# Altium PCB TD4_CPU.PcbDoc (part 1 of 3)
Units mil, origin at the board's own origin, x right, y up, seen from the top; angles counter-clockwise.
Board outline 4020 x 7560 mil, 2 copper layers (Top Layer, Bottom Layer); 361 components, 295 nets, 1160 pads, 333 vias.
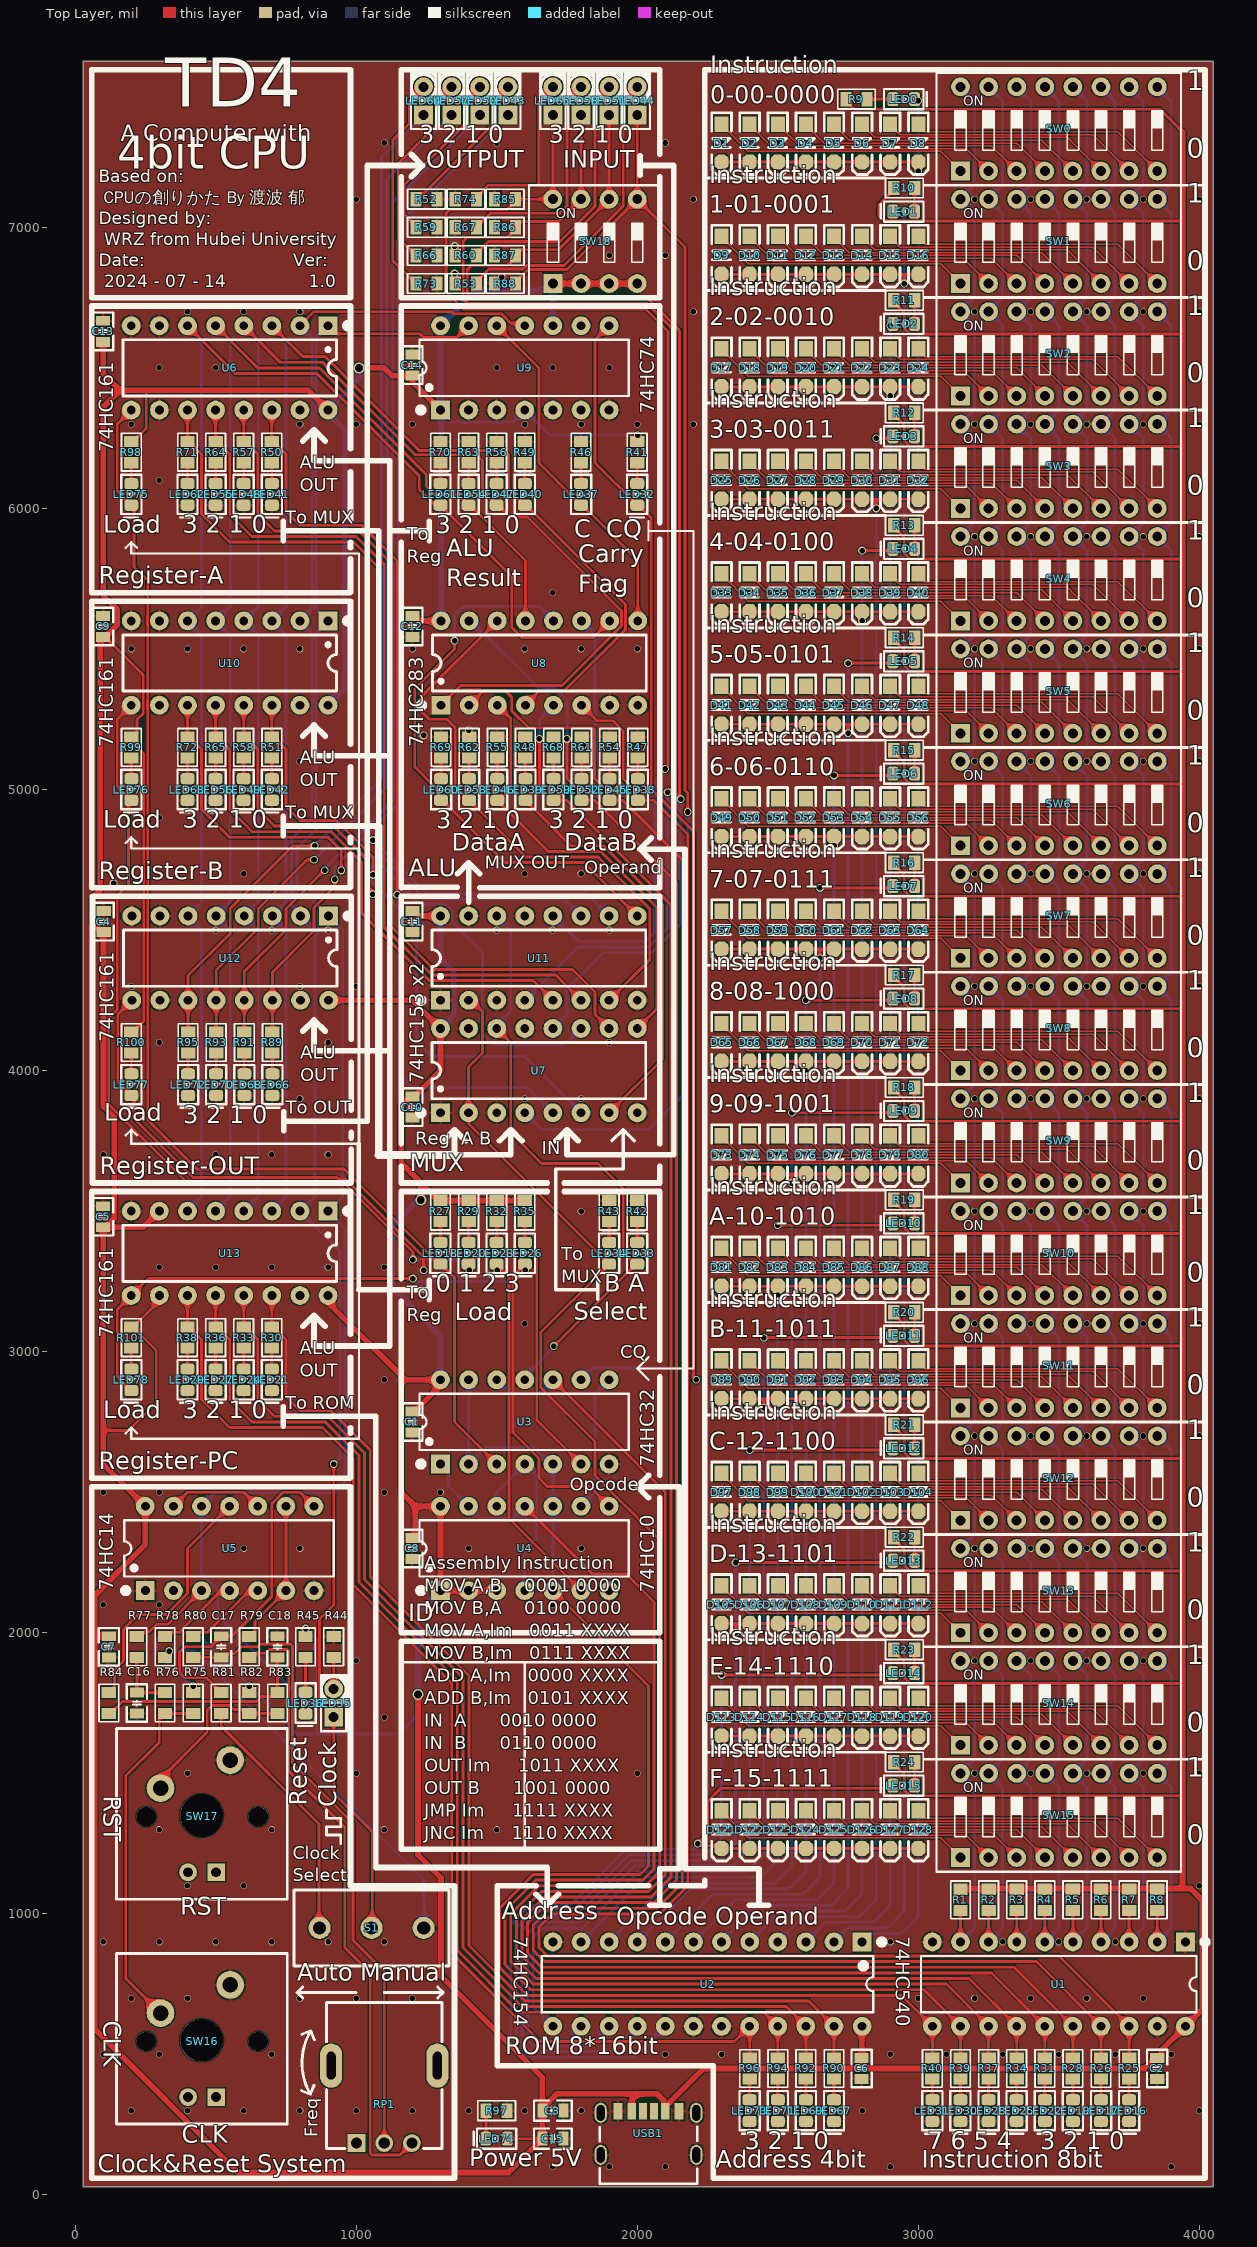
[diagram p0: Top Layer view]
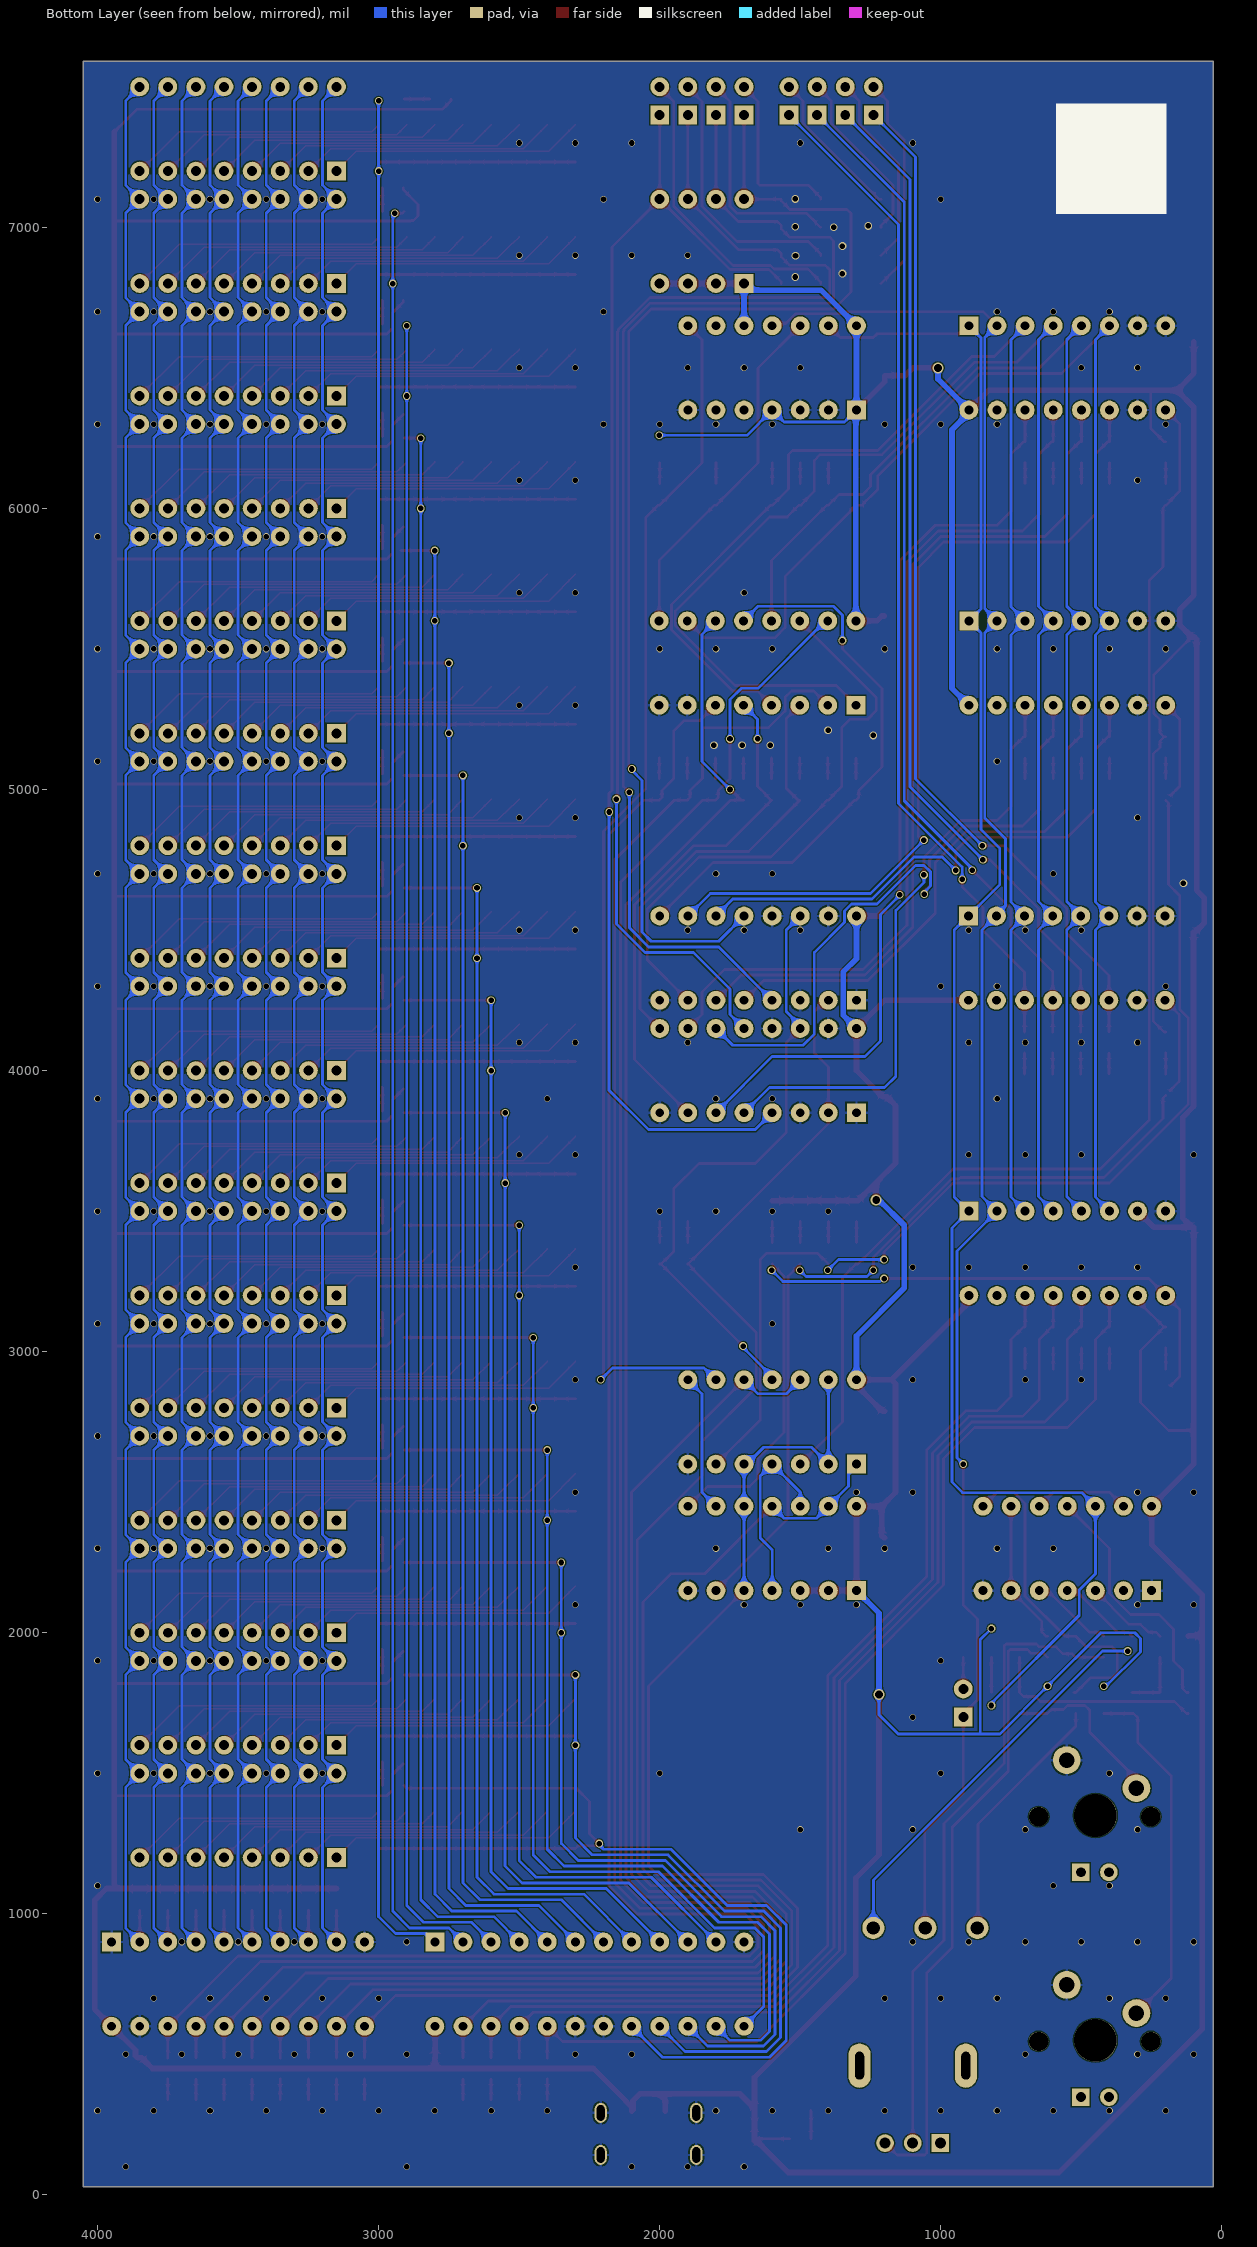
[diagram p1: Bottom Layer view, seen from below]
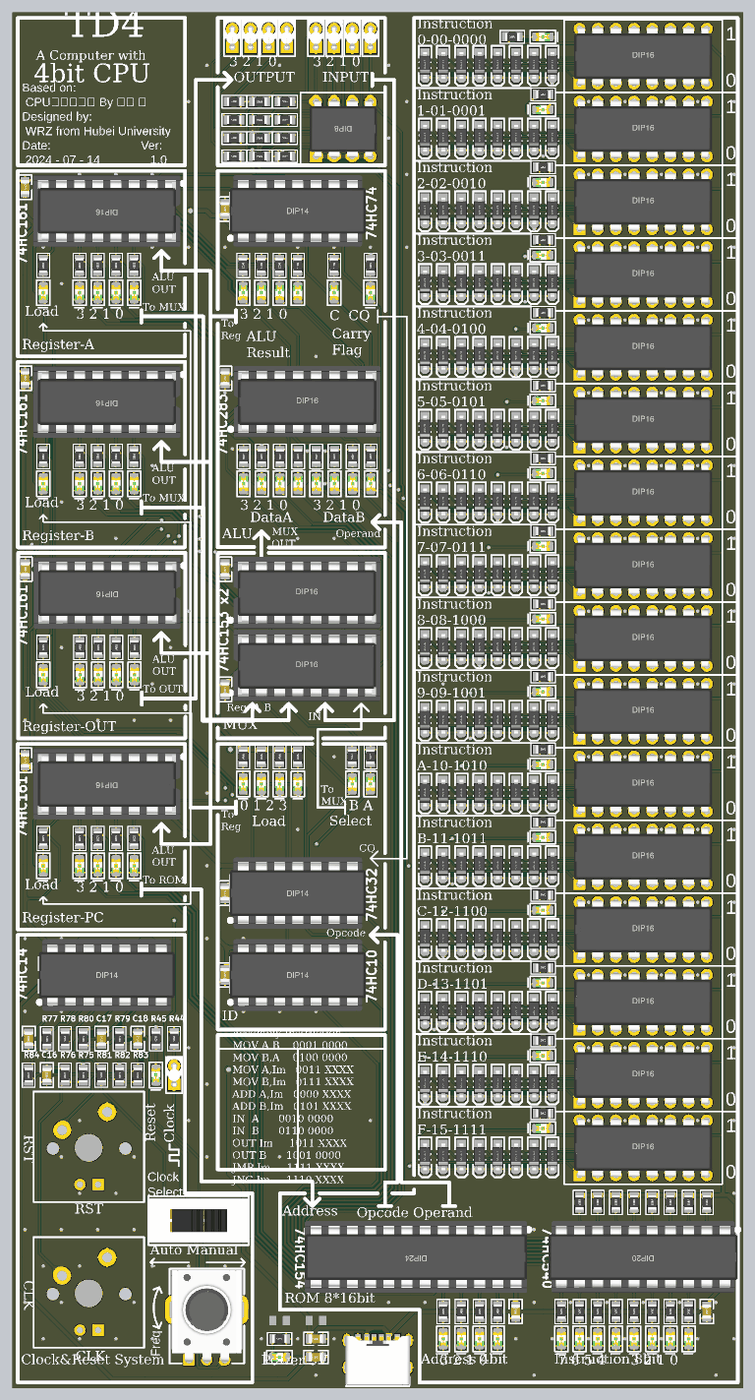
[diagram p4: 3D render of the assembled board from above, using the file's embedded part models]

## Layer stack, top to bottom
Top Solder: solder mask 0.4, Solder Resist, Dk 3.5
Top Layer: signal copper 1.4
Dielectric 1: dielectric 12.6, FR-4, Dk 4.8
Bottom Layer: signal copper 1.4
Bottom Solder: solder mask 0.4, Solder Resist, Dk 3.5

## Board outline
30,30 30,7590 4050,7590 4050,30

## Design rules (kind name [scope] priority, off if disabled: settings)
Clearance [All] p1: gap=4 ignorepadtopadclearanceinfootprint=FALSE
HoleSize [All] p1: absolutevalues=TRUE maxlimit=500 minlimit=1 maxpercent=80.000 minpercent=20.000
MinimumSolderMaskSliver [All] p1: minsoldermaskwidth=0
PolygonConnect PolygonConnect_VIA [ISVIA] p1: connectstyle=Direct reliefconductorwidth=10 reliefentries=4 polygonreliefangle="90 Angle" airgapwidth=10
PolygonConnect [All] p2: connectstyle=Relief reliefconductorwidth=10 reliefentries=4 polygonreliefangle="90 Angle" airgapwidth=6
RoutingVias [All] p1: holewidth=28 width=50 viastyle="Through Hole" minholewidth=28 minwidth=50 maxholewidth=28 maxwidth=50
SilkToSilkClearance [All] p1: silktosilkclearance=0
SilkToSolderMaskClearance [IsPad] p1: minsilkscreentomaskgap=0 clearancetoexposedcopper=TRUE
SolderMaskExpansion [All] p1: expansion=4
Width [All] p1: maxlimit=20 minlimit=5 preferedwidth=10
26 further rules are at their usual default settings.

## Components (designator, comment, footprint, x,y, rotation, side; value= is the part's Value field where it differs from the comment)
C1 "104" C0805_L 1200,2750 r90 top
C2 "104" C0805_L 3850,450 r90 top
C3 "104" C0805_L 1700,300 r180 top
C4 "104" C0805_L 102,4530 r270 top
C5 "104" C0805_L 100,3480 r270 top
C6 "104" C0805_L 2798.5,450 r90 top
C7 "104" C0805_L 120,1950 r90 top
C8 "104" C0805_L 1200,2300 r90 top
C9 "104" C0805_L 100,5580 r270 top
C10 "104" C0805_L 1200,3870 r90 top
C11 "104" C0805_L 1200,4530 r90 top
C12 "104" C0805_L 1200,5580 r90 top
C13 "104" C0805_L 100,6630 r270 top
C14 "104" C0805_L 1200,6510 r270 top
C15 "10uF" C0805_L 1700,200 r180 top
C16 "10uF" C0805_L 220,1750 r90 top
C17 "10uF" C0805_L 520,1950 r270 top
C18 "10uF" C0805_L 720,1950 r270 top
D1 "SS14" SOD-123 2300,7300 r270 top
D2 "SS14" SOD-123 2400,7300 r270 top
D3 "SS14" SOD-123 2500,7300 r270 top
D4 "SS14" SOD-123 2600,7300 r270 top
D5 "SS14" SOD-123 2700,7300 r270 top
D6 "SS14" SOD-123 2800,7300 r270 top
D7 "SS14" SOD-123 2900,7300 r270 top
D8 "SS14" SOD-123 3000,7300 r270 top
D9 "SS14" SOD-123 2300,6900 r270 top
D10 "SS14" SOD-123 2400,6900 r270 top
D11 "SS14" SOD-123 2500,6900 r270 top
D12 "SS14" SOD-123 2600,6900 r270 top
D13 "SS14" SOD-123 2700,6900 r270 top
D14 "SS14" SOD-123 2800,6900 r270 top
D15 "SS14" SOD-123 2900,6900 r270 top
D16 "SS14" SOD-123 3000,6900 r270 top
D17 "SS14" SOD-123 2300,6500 r270 top
D18 "SS14" SOD-123 2400,6500 r270 top
D19 "SS14" SOD-123 2500,6500 r270 top
D20 "SS14" SOD-123 2600,6500 r270 top
D21 "SS14" SOD-123 2700,6500 r270 top
D22 "SS14" SOD-123 2800,6500 r270 top
D23 "SS14" SOD-123 2900,6500 r270 top
D24 "SS14" SOD-123 3000,6500 r270 top
D25 "SS14" SOD-123 2300,6100 r270 top
D26 "SS14" SOD-123 2400,6100 r270 top
D27 "SS14" SOD-123 2500,6100 r270 top
D28 "SS14" SOD-123 2600,6100 r270 top
D29 "SS14" SOD-123 2700,6100 r270 top
D30 "SS14" SOD-123 2800,6100 r270 top
D31 "SS14" SOD-123 2900,6100 r270 top
D32 "SS14" SOD-123 3000,6100 r270 top
D33 "SS14" SOD-123 2300,5700 r270 top
D34 "SS14" SOD-123 2400,5700 r270 top
D35 "SS14" SOD-123 2500,5700 r270 top
D36 "SS14" SOD-123 2600,5700 r270 top
D37 "SS14" SOD-123 2700,5700 r270 top
D38 "SS14" SOD-123 2800,5700 r270 top
D39 "SS14" SOD-123 2900,5700 r270 top
D40 "SS14" SOD-123 3000,5700 r270 top
D41 "SS14" SOD-123 2300,5300 r270 top
D42 "SS14" SOD-123 2400,5300 r270 top
D43 "SS14" SOD-123 2500,5300 r270 top
D44 "SS14" SOD-123 2600,5300 r270 top
D45 "SS14" SOD-123 2700,5300 r270 top
D46 "SS14" SOD-123 2800,5300 r270 top
D47 "SS14" SOD-123 2900,5300 r270 top
D48 "SS14" SOD-123 3000,5300 r270 top
D49 "SS14" SOD-123 2300,4900 r270 top
D50 "SS14" SOD-123 2400,4900 r270 top
D51 "SS14" SOD-123 2500,4900 r270 top
D52 "SS14" SOD-123 2600,4900 r270 top
D53 "SS14" SOD-123 2700,4900 r270 top
D54 "SS14" SOD-123 2800,4900 r270 top
D55 "SS14" SOD-123 2900,4900 r270 top
D56 "SS14" SOD-123 3000,4900 r270 top
D57 "SS14" SOD-123 2300,4500 r270 top
D58 "SS14" SOD-123 2400,4500 r270 top
D59 "SS14" SOD-123 2500,4500 r270 top
D60 "SS14" SOD-123 2600,4500 r270 top
D61 "SS14" SOD-123 2700,4500 r270 top
D62 "SS14" SOD-123 2800,4500 r270 top
D63 "SS14" SOD-123 2900,4500 r270 top
D64 "SS14" SOD-123 3000,4500 r270 top
D65 "SS14" SOD-123 2300,4100 r270 top
D66 "SS14" SOD-123 2400,4100 r270 top
D67 "SS14" SOD-123 2500,4100 r270 top
D68 "SS14" SOD-123 2600,4100 r270 top
D69 "SS14" SOD-123 2700,4100 r270 top
D70 "SS14" SOD-123 2800,4100 r270 top
D71 "SS14" SOD-123 2900,4100 r270 top
D72 "SS14" SOD-123 3000,4100 r270 top
D73 "SS14" SOD-123 2300,3700 r270 top
D74 "SS14" SOD-123 2400,3700 r270 top
D75 "SS14" SOD-123 2500,3700 r270 top
D76 "SS14" SOD-123 2600,3700 r270 top
D77 "SS14" SOD-123 2700,3700 r270 top
D78 "SS14" SOD-123 2800,3700 r270 top
D79 "SS14" SOD-123 2900,3700 r270 top
D80 "SS14" SOD-123 3000,3700 r270 top
D81 "SS14" SOD-123 2300,3300 r270 top
D82 "SS14" SOD-123 2400,3300 r270 top
D83 "SS14" SOD-123 2500,3300 r270 top
D84 "SS14" SOD-123 2600,3300 r270 top
D85 "SS14" SOD-123 2700,3300 r270 top
D86 "SS14" SOD-123 2800,3300 r270 top
D87 "SS14" SOD-123 2900,3300 r270 top
D88 "SS14" SOD-123 3000,3300 r270 top
D89 "SS14" SOD-123 2300,2900 r270 top
D90 "SS14" SOD-123 2400,2900 r270 top
D91 "SS14" SOD-123 2500,2900 r270 top
D92 "SS14" SOD-123 2600,2900 r270 top
D93 "SS14" SOD-123 2700,2900 r270 top
D94 "SS14" SOD-123 2800,2900 r270 top
D95 "SS14" SOD-123 2900,2900 r270 top
D96 "SS14" SOD-123 3000,2900 r270 top
D97 "SS14" SOD-123 2300,2500 r270 top
D98 "SS14" SOD-123 2400,2500 r270 top
D99 "SS14" SOD-123 2500,2500 r270 top
D100 "SS14" SOD-123 2600,2500 r270 top
D101 "SS14" SOD-123 2700,2500 r270 top
D102 "SS14" SOD-123 2800,2500 r270 top
D103 "SS14" SOD-123 2900,2500 r270 top
D104 "SS14" SOD-123 3000,2500 r270 top
D105 "SS14" SOD-123 2300,2100 r270 top
D106 "SS14" SOD-123 2400,2100 r270 top
D107 "SS14" SOD-123 2500,2100 r270 top
D108 "SS14" SOD-123 2600,2100 r270 top
D109 "SS14" SOD-123 2700,2100 r270 top
D110 "SS14" SOD-123 2800,2100 r270 top
D111 "SS14" SOD-123 2900,2100 r270 top
D112 "SS14" SOD-123 3000,2100 r270 top
D113 "SS14" SOD-123 2300,1700 r270 top
D114 "SS14" SOD-123 2400,1700 r270 top
D115 "SS14" SOD-123 2500,1700 r270 top
D116 "SS14" SOD-123 2600,1700 r270 top
D117 "SS14" SOD-123 2700,1700 r270 top
D118 "SS14" SOD-123 2800,1700 r270 top
D119 "SS14" SOD-123 2900,1700 r270 top
D120 "SS14" SOD-123 3000,1700 r270 top
D121 "SS14" SOD-123 2300,1300 r270 top
D122 "SS14" SOD-123 2400,1300 r270 top
D123 "SS14" SOD-123 2500,1300 r270 top
D124 "SS14" SOD-123 2600,1300 r270 top
D125 "SS14" SOD-123 2700,1300 r270 top
D126 "SS14" SOD-123 2800,1300 r270 top
D127 "SS14" SOD-123 2900,1300 r270 top
D128 "SS14" SOD-123 3000,1300 r270 top
LED0 "绿色" LED0805_B 2948.25,7456.25 r0 top
LED1 "绿色" LED0805_B 2948.25,7056.25 r180 top
LED2 "绿色" LED0805_B 2948.25,6656.25 r180 top
LED3 "绿色" LED0805_B 2948.25,6256.25 r180 top
LED4 "绿色" LED0805_B 2948.25,5856.25 r180 top
LED5 "绿色" LED0805_B 2948.25,5456.25 r180 top
LED6 "绿色" LED0805_B 2948.25,5056.25 r180 top
LED7 "绿色" LED0805_B 2948.25,4656.25 r180 top
LED8 "绿色" LED0805_B 2948.25,4256.25 r180 top
LED9 "绿色" LED0805_B 2948.25,3856.25 r180 top
LED10 "绿色" LED0805_B 2948.25,3456.25 r180 top
LED11 "绿色" LED0805_B 2948.25,3056.25 r180 top
LED12 "绿色" LED0805_B 2948.25,2656.25 r180 top
LED13 "绿色" LED0805_B 2948.25,2256.25 r180 top
LED14 "绿色" LED0805_B 2948.25,1856.25 r180 top
LED15 "绿色" LED0805_B 2948.25,1456.25 r180 top
LED16 "蓝色" LED0805_B 3750,300 r270 top
LED17 "蓝色" LED0805_B 3650,300 r270 top
LED18 "红色" LED0805_B 1300,3350 r270 top
LED19 "蓝色" LED0805_B 3550,300 r270 top
LED20 "红色" LED0805_B 1400,3350 r270 top
LED21 "绿色" LED0805_B 700,2900 r270 top
LED22 "蓝色" LED0805_B 3450,300 r270 top
LED23 "红色" LED0805_B 1500,3350 r270 top
LED24 "绿色" LED0805_B 600,2900 r270 top
LED25 "蓝色" LED0805_B 3350,300 r270 top
LED26 "红色" LED0805_B 1600,3350 r270 top
LED27 "绿色" LED0805_B 500,2900 r270 top
LED28 "蓝色" LED0805_B 3250,300 r270 top
LED29 "绿色" LED0805_B 400,2900 r270 top
LED30 "蓝色" LED0805_B 3150,300 r270 top
LED31 "蓝色" LED0805_B 3050,300 r270 top
LED32 "红色" LED0805_B 2000,6050 r270 top
LED33 "黄色" LED0805_B 2000,3350 r90 top
LED34 "黄色" LED0805_B 1900,3350 r90 top
LED35 "红色" "LED F257-W - duplicate" 920,1750 r90 top
LED36 "紫色" LED0805_B 820,1750 r270 top
LED37 "黄色" LED0805_B 1800,6050 r90 top
LED38 "蓝色" LED0805_B 2002,5000 r90 top
LED39 "红色" LED0805_B 1602,5000 r90 top
LED40 "黄绿色" LED0805_B 1600,6050 r90 top
LED41 "绿色" LED0805_B 700,6050 r270 top
LED42 "绿色" LED0805_B 700,5000 r270 top
LED43 "绿色" "LED F257-W - duplicate" 1540,7450 r90 top
LED44 "蓝色" "LED F257-W - duplicate" 2000,7450 r90 top
LED45 "蓝色" LED0805_B 1902,5000 r90 top
LED46 "红色" LED0805_B 1502,5000 r90 top
LED47 "黄绿色" LED0805_B 1500,6050 r90 top
LED48 "绿色" LED0805_B 600,6050 r270 top
LED49 "绿色" LED0805_B 600,5000 r270 top
LED50 "绿色" "LED F257-W - duplicate" 1440,7450 r90 top
LED51 "蓝色" "LED F257-W - duplicate" 1900,7450 r90 top
LED52 "蓝色" LED0805_B 1802,5000 r90 top
LED53 "红色" LED0805_B 1402,5000 r90 top
LED54 "黄绿色" LED0805_B 1400,6050 r90 top
LED55 "绿色" LED0805_B 500,6050 r270 top
LED56 "绿色" LED0805_B 500,5000 r270 top
LED57 "绿色" "LED F257-W - duplicate" 1340,7450 r90 top
LED58 "蓝色" "LED F257-W - duplicate" 1800,7450 r90 top
LED59 "蓝色" LED0805_B 1702,5000 r90 top
LED60 "红色" LED0805_B 1302,5000 r90 top
LED61 "黄绿色" LED0805_B 1300,6050 r90 top
LED62 "绿色" LED0805_B 400,6050 r270 top
LED63 "绿色" LED0805_B 400,5000 r270 top
LED64 "绿色" "LED F257-W - duplicate" 1240,7450 r90 top
LED65 "蓝色" "LED F257-W - duplicate" 1700,7450 r90 top
LED66 "绿色" LED0805_B 702,3950 r270 top
LED67 "绿色" LED0805_B 2700,300 r270 top
LED68 "绿色" LED0805_B 602,3950 r270 top
LED69 "绿色" LED0805_B 2600,300 r270 top
LED70 "绿色" LED0805_B 502,3950 r270 top
LED71 "绿色" LED0805_B 2500,300 r270 top
LED72 "绿色" LED0805_B 402,3950 r270 top
LED73 "绿色" LED0805_B 2400,300 r270 top
LED74 "紫色" LED0805_B 1500,200 r180 top
LED75 "红色" LED0805_B 200,6050 r270 top
LED76 "红色" LED0805_B 200,5000 r270 top
LED77 "红色" LED0805_B 200,3950 r270 top
LED78 "红色" LED0805_B 200,2900 r270 top
R1 "10K" R0805_L 3150,1050 r270 top
R2 "10K" R0805_L 3250,1050 r270 top
R3 "10K" R0805_L 3350,1050 r270 top
R4 "10K" R0805_L 3450,1050 r270 top
R5 "10K" R0805_L 3550,1050 r270 top
R6 "10K" R0805_L 3650,1050 r270 top
R7 "10K" R0805_L 3750,1050 r270 top
R8 "10K" R0805_L 3850,1050 r270 top
R9 "3K9" R0805_L 2780,7456.25 r180 top
R10 "3K9" R0805_L 2950,7140 r180 top
R11 "3K9" R0805_L 2950,6740 r180 top
R12 "3K9" R0805_L 2950,6340 r180 top
R13 "3K9" R0805_L 2950,5940 r180 top
R14 "3K9" R0805_L 2950,5540 r180 top
R15 "3K9" R0805_L 2950,5140 r180 top
R16 "3K9" R0805_L 2950,4740 r180 top
R17 "3K9" R0805_L 2950,4340 r180 top
R18 "3K9" R0805_L 2950,3940 r180 top
R19 "3K9" R0805_L 2950,3540 r180 top
R20 "3K9" R0805_L 2950,3140 r180 top
R21 "3K9" R0805_L 2950,2740 r180 top
R22 "3K9" R0805_L 2950,2340 r180 top
R23 "3K9" R0805_L 2950,1940 r180 top
R24 "3K9" R0805_L 2950,1540 r180 top
R25 "1K" R0805_L 3750,450 r90 top
R26 "1K" R0805_L 3650,450 r90 top
R27 "1K" R0805_L 1300,3500 r90 top
R28 "1K" R0805_L 3550,450 r90 top
R29 "1K" R0805_L 1400,3500 r90 top
R30 "3K9" R0805_L 700,3050 r90 top
R31 "1K" R0805_L 3450,450 r90 top
R32 "1K" R0805_L 1500,3500 r90 top
R33 "3K9" R0805_L 600,3050 r90 top
R34 "1K" R0805_L 3350,450 r90 top